# Allegro board S071AA-0413-20260427.brd (continued)
## Routing (per net, layer and track width the routed paths; a pad name or vN(x,y) marks a point on that pad's centre or on a via; arc(x,y) is an arc through that point) (continued)
; D106.A11 261.89,72.85 ; 241.57,395.43 D112.A15 ; D112.A15 241.57,397.05 ; D112.A15 242.38,396.24 ; D112.A15 240.76,396.24 ; D432.A8 38.37,404.67 ; D432.A8 37.56,403.86 ; D432.A8 39.18,403.86 ; D432.A8 38.37,403.05 ; D111.B14 244.92,368.3 ; D111.B14 243.3,368.3 ; D111.B14 244.11,367.49 ; D111.B14 244.11,369.11 ; 123.92,93.98 D121.A15 ; D121.A15 125.54,93.98 ; D121.A15 124.73,93.17 ; D121.A15 124.73,94.79 ; D119.A15 51.07,54.15 ; D119.A15 51.88,53.34 ; D119.A15 50.26,53.34 ; D119.A15 51.07,52.53 ; D104.A5 172.99,33.83 ; D104.A5 172.18,33.02 ; D104.A5 173.8,33.02 ; D104.A5 172.99,32.21 ; 170.45,80.47 D102.B4 ; D102.B4 170.45,82.09 ; D102.B4 171.26,81.28 ; D102.B4 169.64,81.28 ; D231.B6 44.26,368.3 ; D231.B6 43.45,369.11 ; D231.B6 43.45,367.49 ; D231.B6 42.64,368.3 ; D103.A4 171.26,55.88 ; D103.A4 169.64,55.88 ; D103.A4 170.45,55.07 ; D103.A4 170.45,56.69 ; D431.A12 28.21,384.35 ; D431.A12 27.4,383.54 ; D431.A12 29.02,383.54 ; D431.A12 28.21,382.73 ; DPS8.C15 21.4,410.21 ; DPS8.C15 19.78,410.21 ; DPS8.C15 20.59,411.02 ; DPS8.C15 20.59,409.4 ; 17.24,55.88 D119.A2 ; D119.A2 18.05,56.69 ; D119.A2 18.05,55.07 ; D119.A2 18.86,55.88 ; CSDPS429.B8 39.18,342.9 ; CSDPS429.B8 38.37,343.71 ; CSDPS429.B8 37.56,342.9 ; CSDPS429.B8 38.37,342.09 ; D228.B7 114.57,391.97 ; D228.B7 113.76,391.16 ; D228.B7 114.57,390.35 ; D228.B7 115.38,391.16 ; UHC430.G2_11 48.98,359.26 ; UHC430.G2_11 48.98,357.64 ; UHC430.G2_11 49.79,358.45 ; UHC430.G2_11 48.17,358.45 ; D122.B10 112.84,81.28 ; D122.B10 112.03,80.47 ; D122.B10 112.03,82.09 ; D122.B10 111.22,81.28 ; D124.A8 106.95,36.37 ; D124.A8 106.95,34.75 ; D124.A8 106.14,35.56 ; D124.A8 107.76,35.56 ; 20.59,414.48 DPS8.A15 ; DPS8.A15 21.4,415.29 ; DPS8.A15 20.59,416.1 ; DPS8.A15 19.78,415.29 ; 188.23,349.71 D114.B7 ; D114.B7 189.04,350.52 ; D114.B7 188.23,351.33 ; D114.B7 187.42,350.52 ; 15.51,395.43 D232.A17 ; D232.A17 14.7,396.24 ; D232.A17 16.32,396.24 ; D232.A17 15.51,397.05 ; CSDPS425.B4 123,342.9 ; CSDPS425.B4 121.38,342.9 ; CSDPS425.B4 122.19,342.09 ; CSDPS425.B4 122.19,343.71 ; 238.22,368.3 D111.B16 ; D111.B16 239.03,369.11 ; D111.B16 239.03,367.49 ; D111.B16 239.84,368.3 ; D118.B11 40.91,79.55 ; D118.B11 40.91,77.93 ; D118.B11 41.72,78.74 ; D118.B11 40.1,78.74 ; 93.44,360.68 CSDPS426.C15 ; CSDPS426.C15 95.06,360.68 ; CSDPS426.C15 94.25,361.49 ; CSDPS426.C15 94.25,359.87 ; 126.46,363.22 CSDPS426.B2 ; CSDPS426.B2 127.27,364.03 ; CSDPS426.B2 128.08,363.22 ; CSDPS426.B2 127.27,362.41 ; UHC230.G4 17.69,351.79 ; UHC230.G4 16.88,350.98 ; UHC230.G4 16.88,352.6 ; UHC230.G4 16.07,351.79 ; D103.B9 183.15,59.23 ; D103.B9 183.15,57.61 ; D103.B9 183.96,58.42 ; D103.B9 182.34,58.42 ; 123.92,38.1 D124.B15 ; D124.B15 124.73,38.91 ; D124.B15 125.54,38.1 ; D124.B15 124.73,37.29 ; DPS3.A05 100.14,13.97 ; DPS3.A05 99.33,14.78 ; DPS3.A05 99.33,13.16 ; DPS3.A05 98.52,13.97 ; 116.3,363.22 CSDPS426.B6 ; CSDPS426.B6 117.92,363.22 ; CSDPS426.B6 117.11,364.03 ; CSDPS426.B6 117.11,362.41 ; 251.73,93.17 D105.A7 ; D105.A7 252.54,93.98 ; D105.A7 251.73,94.79 ; D105.A7 250.92,93.98 ; 187.42,99.06 D101.B11 ; D101.B11 188.23,98.25 ; D101.B11 189.04,99.06 ; D101.B11 188.23,99.87 ; D107.A7 251.73,54.15 ; D107.A7 252.54,53.34 ; D107.A7 250.92,53.34 ; D107.A7 251.73,52.53 ; 198.39,334.47 D113.A3 ; D113.A3 197.58,335.28 ; D113.A3 199.2,335.28 ; D113.A3 198.39,336.09 ; 256,335.28 D109.A9 ; D109.A9 257.62,335.28 ; D109.A9 256.81,336.09 ; D109.A9 256.81,334.47 ; D121.B3 95.06,99.06 ; D121.B3 93.44,99.06 ; D121.B3 94.25,98.25 ; D121.B3 94.25,99.87 ; 113.76,386.08 D427.A7 ; D427.A7 114.57,386.89 ; D427.A7 114.57,385.27 ; D427.A7 115.38,386.08 ; 113.76,370.84 D227.B7 ; D227.B7 114.57,370.03 ; D227.B7 115.38,370.84 ; D227.B7 114.57,371.65 ; CSDPS225.B16 91.71,333.55 ; CSDPS225.B16 90.9,332.74 ; CSDPS225.B16 92.52,332.74 ; CSDPS225.B16 91.71,331.93 ; 268.7,101.6 D105.B14 ; D105.B14 269.51,100.79 ; D105.B14 270.32,101.6 ; D105.B14 269.51,102.41 ; 45.87,351.79 UHC230.G3 ; UHC230.G3 46.68,350.98 ; UHC230.G3 46.68,352.6 ; UHC230.G3 47.49,351.79 ; D227.B11 105.22,370.84 ; D227.B11 104.41,371.65 ; D227.B11 103.6,370.84 ; D227.B11 104.41,370.03 ; 30.75,329.39 CSDPS229.C11 ; CSDPS229.C11 31.56,330.2 ; CSDPS229.C11 29.94,330.2 ; CSDPS229.C11 30.75,331.01 ; 48.53,342.09 CSDPS429.B4 ; CSDPS429.B4 47.72,342.9 ; CSDPS429.B4 49.34,342.9 ; CSDPS429.B4 48.53,343.71 ; 94.25,380.19 D427.B15 ; D427.B15 95.06,381 ; D427.B15 93.44,381 ; D427.B15 94.25,381.81 ; D231.B11 30.75,371.65 ; D231.B11 31.56,370.84 ; D231.B11 30.75,370.03 ; D231.B11 29.94,370.84 ; D121.B8 107.76,101.6 ; D121.B8 106.95,102.41 ; D121.B8 106.95,100.79 ; D121.B8 106.14,101.6 ; CSDPS425.B12 102.68,342.9 ; CSDPS425.B12 101.87,342.09 ; CSDPS425.B12 101.87,343.71 ; CSDPS425.B12 101.06,342.9 ; D118.B12 43.45,82.09 ; D118.B12 44.26,81.28 ; D118.B12 42.64,81.28 ; D118.B12 43.45,80.47 ; D111.A6 265.24,373.38 ; D111.A6 264.43,374.19 ; D111.A6 263.62,373.38 ; D111.A6 264.43,372.57 ; 266.16,93.98 D105.A13 ; D105.A13 266.97,93.17 ; D105.A13 266.97,94.79 ; D105.A13 267.78,93.98 ; D107.A15 272.86,53.34 ; D107.A15 272.05,54.15 ; D107.A15 271.24,53.34 ; D107.A15 272.05,52.53 ; 104.41,57.61 D123.B7 ; D123.B7 104.41,59.23 ; D123.B7 103.6,58.42 ; D123.B7 105.22,58.42 ; 50.26,396.24 D232.A3 ; D232.A3 51.07,395.43 ; D232.A3 51.07,397.05 ; D232.A3 51.88,396.24 ; D116.A14 171.26,393.7 ; D116.A14 170.45,394.51 ; D116.A14 169.64,393.7 ; D116.A14 170.45,392.89 ; 45.99,411.94 DPS8.B05 ; DPS8.B05 46.8,412.75 ; DPS8.B05 45.18,412.75 ; DPS8.B05 45.99,413.56 ; D123.A5 99.33,54.15 ; D123.A5 98.52,53.34 ; D123.A5 100.14,53.34 ; D123.A5 99.33,52.53 ; 27.4,393.7 D232.A12 ; D232.A12 28.21,394.51 ; D232.A12 29.02,393.7 ; D232.A12 28.21,392.89 ; D108.A4 244.11,36.37 ; D108.A4 244.92,35.56 ; D108.A4 243.3,35.56 ; D108.A4 244.11,34.75 ; 121.38,398.78 D428.B4 ; D428.B4 122.19,397.97 ; D428.B4 122.19,399.59 ; D428.B4 123,398.78 ; 178.07,93.17 D101.A7 ; D101.A7 178.07,94.79 ; D101.A7 177.26,93.98 ; D101.A7 178.88,93.98 ; CSDPS229.B4 49.34,332.74 ; CSDPS229.B4 48.53,333.55 ; CSDPS229.B4 48.53,331.93 ; CSDPS229.B4 47.72,332.74 ; 33.29,403.05 D432.A10 ; D432.A10 33.29,404.67 ; D432.A10 32.48,403.86 ; D432.A10 34.1,403.86 ; D123.A13 120.46,53.34 ; D123.A13 119.65,52.53 ; D123.A13 118.84,53.34 ; D123.A13 119.65,54.15 ; KS4.6 54.47,156.72 ; KS4.6 52.24,156.72 ; KS4.6 53.36,155.6 ; KS4.6 53.36,157.84 ; D105.B8 255.08,101.6 ; D105.B8 254.27,102.41 ; D105.B8 253.46,101.6 ; D105.B8 254.27,100.79 ; 40.91,370.03 D231.B7 ; D231.B7 40.91,371.65 ; D231.B7 41.72,370.84 ; D231.B7 40.1,370.84 ; D101.B14 196.66,101.6 ; D101.B14 195.04,101.6 ; D101.B14 195.85,102.41 ; D101.B14 195.85,100.79 ; 108.68,396.24 D228.A9 ; D228.A9 109.49,397.05 ; D228.A9 110.3,396.24 ; D228.A9 109.49,395.43 ; 200.93,60.15 D103.B16 ; D103.B16 200.93,61.77 ; D103.B16 200.12,60.96 ; D103.B16 201.74,60.96 ; D111.B10 254.27,369.11 ; D111.B10 254.27,367.49 ; D111.B10 253.46,368.3 ; D111.B10 255.08,368.3 ; D109.B12 250,327.66 ; D109.B12 249.19,326.85 ; D109.B12 249.19,328.47 ; D109.B12 248.38,327.66 ; 167.91,37.29 D104.B3 ; D104.B3 167.1,38.1 ; D104.B3 168.72,38.1 ; D104.B3 167.91,38.91 ; 51.07,77.93 D118.B15 ; D118.B15 51.88,78.74 ; D118.B15 50.26,78.74 ; D118.B15 51.07,79.55 ; D107.A8 255.08,55.88 ; D107.A8 253.46,55.88 ; D107.A8 254.27,55.07 ; D107.A8 254.27,56.69 ; 114.57,32.21 D124.A11 ; D124.A11 114.57,33.83 ; D124.A11 113.76,33.02 ; D124.A11 115.38,33.02 ; D115.B16 166.18,368.3 ; D115.B16 165.37,367.49 ; D115.B16 164.56,368.3 ; D115.B16 165.37,369.11 ; CSDPS229.B16 18.05,333.55 ; CSDPS229.B16 18.05,331.93 ; CSDPS229.B16 18.86,332.74 ; CSDPS229.B16 17.24,332.74 ; 90.9,101.6 D121.B2 ; D121.B2 91.71,102.41 ; D121.B2 91.71,100.79 ; D121.B2 92.52,101.6 ; 197.58,99.06 D101.B15 ; D101.B15 198.39,98.25 ; D101.B15 198.39,99.87 ; D101.B15 199.2,99.06 ; 254.27,80.47 D106.B8 ; D106.B8 253.46,81.28 ; D106.B8 254.27,82.09 ; D106.B8 255.08,81.28 ; 55.34,391.16 D232.B1 ; D232.B1 56.15,390.35 ; D232.B1 56.15,391.97 ; D232.B1 56.96,391.16 ; 236.49,13.16 DPS1.A01 ; DPS1.A01 236.49,14.78 ; DPS1.A01 237.3,13.97 ; DPS1.A01 235.68,13.97 ; 197.58,58.42 D103.B15 ; D103.B15 199.2,58.42 ; D103.B15 198.39,57.61 ; D103.B15 198.39,59.23 ; D124.A6 102.68,35.56 ; D124.A6 101.06,35.56 ; D124.A6 101.87,36.37 ; D124.A6 101.87,34.75 ; D428.B13 100.14,401.32 ; D428.B13 99.33,402.13 ; D428.B13 99.33,400.51 ; D428.B13 98.52,401.32 ; D231.A15 21.4,375.92 ; D231.A15 20.59,375.11 ; D231.A15 20.59,376.73 ; D231.A15 19.78,375.92 ; 15.51,380.19 D431.B17 ; D431.B17 14.7,381 ; D431.B17 16.32,381 ; D431.B17 15.51,381.81 ; 200.93,95.71 D101.A16 ; D101.A16 201.74,96.52 ; D101.A16 200.93,97.33 ; D101.A16 200.12,96.52 ; D110.B3 272.86,350.52 ; D110.B3 272.05,351.33 ; D110.B3 271.24,350.52 ; D110.B3 272.05,349.71 ; 251.73,72.85 D106.A7 ; D106.A7 251.73,74.47 ; D106.A7 250.92,73.66 ; D106.A7 252.54,73.66 ; D231.B13 26.48,370.84 ; D231.B13 24.86,370.84 ; D231.B13 25.67,370.03 ; D231.B13 25.67,371.65 ; D232.B15 20.59,391.97 ; D232.B15 21.4,391.16 ; D232.B15 19.78,391.16 ; D232.B15 20.59,390.35 ; D118.B14 48.53,82.09 ; D118.B14 48.53,80.47 ; D118.B14 49.34,81.28 ; D118.B14 47.72,81.28 ; D115.A11 178.88,375.92 ; D115.A11 178.07,376.73 ; D115.A11 178.07,375.11 ; D115.A11 177.26,375.92 ; D113.B14 171.26,327.66 ; D113.B14 170.45,326.85 ; D113.B14 169.64,327.66 ; D113.B14 170.45,328.47 ; 35.83,32.21 D120.A9 ; D120.A9 36.64,33.02 ; D120.A9 35.83,33.83 ; D120.A9 35.02,33.02 ; 114.57,72.85 D122.A11 ; D122.A11 115.38,73.66 ; D122.A11 113.76,73.66 ; D122.A11 114.57,74.47 ; 93.44,401.32 D428.B15 ; D428.B15 95.06,401.32 ; D428.B15 94.25,400.51 ; D428.B15 94.25,402.13 ; D432.A3 51.88,406.4 ; D432.A3 51.07,405.59 ; D432.A3 50.26,406.4 ; D432.A3 51.07,407.21 ; CSDPS426.B4 122.19,364.03 ; CSDPS426.B4 122.19,362.41 ; CSDPS426.B4 123,363.22 ; CSDPS426.B4 121.38,363.22 ; 111.22,332.74 CSDPS225.B8 ; CSDPS225.B8 112.03,333.55 ; CSDPS225.B8 112.03,331.93 ; CSDPS225.B8 112.84,332.74 ; 55.34,375.92 D231.A1 ; D231.A1 56.15,375.11 ; D231.A1 56.15,376.73 ; D231.A1 56.96,375.92 ; D122.B15 124.73,79.55 ; D122.B15 124.73,77.93 ; D122.B15 125.54,78.74 ; D122.B15 123.92,78.74 ; D102.A6 175.53,77.01 ; D102.A6 174.72,76.2 ; D102.A6 175.53,75.39 ; D102.A6 176.34,76.2 ; 53.61,55.07 D119.A16 ; D119.A16 54.42,55.88 ; D119.A16 53.61,56.69 ; D119.A16 52.8,55.88 ; D110.A14 244.92,353.06 ; D110.A14 243.3,353.06 ; D110.A14 244.11,352.25 ; D110.A14 244.11,353.87 ; 19.78,386.08 D431.A15 ; D431.A15 20.59,385.27 ; D431.A15 20.59,386.89 ; D431.A15 21.4,386.08 ; D427.A4 122.19,384.35 ; D427.A4 122.19,382.73 ; D427.A4 123,383.54 ; D427.A4 121.38,383.54 ; D115.A3 199.2,375.92 ; D115.A3 198.39,376.73 ; D115.A3 198.39,375.11 ; D115.A3 197.58,375.92 ; D228.B17 89.98,391.16 ; D228.B17 89.17,391.97 ; D228.B17 88.36,391.16 ; D228.B17 89.17,390.35 ; 178.07,334.47 D113.A11 ; D113.A11 178.07,336.09 ; D113.A11 177.26,335.28 ; D113.A11 178.88,335.28 ; D124.A2 91.71,36.37 ; D124.A2 91.71,34.75 ; D124.A2 92.52,35.56 ; D124.A2 90.9,35.56 ; D102.A12 191.58,76.2 ; D102.A12 189.96,76.2 ; D102.A12 190.77,77.01 ; D102.A12 190.77,75.39 ; 182.34,78.74 D102.B9 ; D102.B9 183.15,77.93 ; D102.B9 183.96,78.74 ; D102.B9 183.15,79.55 ; 249.19,39.83 D108.B6 ; D108.B6 248.38,40.64 ; D108.B6 250,40.64 ; D108.B6 249.19,41.45 ; 99.33,37.29 D124.B5 ; D124.B5 99.33,38.91 ; D124.B5 100.14,38.1 ; D124.B5 98.52,38.1 ; DPS3.B05 100.14,16.51 ; DPS3.B05 99.33,15.7 ; DPS3.B05 98.52,16.51 ; DPS3.B05 99.33,17.32 ; D119.A11 40.91,54.15 ; D119.A11 40.1,53.34 ; D119.A11 40.91,52.53 ; D119.A11 41.72,53.34 ; 38.37,392.89 D232.A8 ; D232.A8 37.56,393.7 ; D232.A8 38.37,394.51 ; D232.A8 39.18,393.7 ; 238.22,81.28 D106.B2 ; D106.B2 239.03,80.47 ; D106.B2 239.84,81.28 ; D106.B2 239.03,82.09 ; D432.B8 38.37,399.59 ; D432.B8 37.56,398.78 ; D432.B8 38.37,397.97 ; D432.B8 39.18,398.78 ; D119.A13 45.99,54.15 ; D119.A13 45.18,53.34 ; D119.A13 45.99,52.53 ; D119.A13 46.8,53.34 ; 246.65,18.24 DPS1.C05 ; DPS1.C05 246.65,19.86 ; DPS1.C05 245.84,19.05 ; DPS1.C05 247.46,19.05 ; D122.B11 115.38,78.74 ; D122.B11 114.57,79.55 ; D122.B11 114.57,77.93 ; D122.B11 113.76,78.74 ; 189.96,55.88 D103.A12 ; D103.A12 190.77,56.69 ; D103.A12 190.77,55.07 ; D103.A12 191.58,55.88 ; 104.41,395.43 D228.A11 ; D228.A11 104.41,397.05 ; D228.A11 105.22,396.24 ; D228.A11 103.6,396.24 ; D108.A6 249.19,36.37 ; D108.A6 248.38,35.56 ; D108.A6 250,35.56 ; D108.A6 249.19,34.75 ; D427.A14 96.79,384.35 ; D427.A14 97.6,383.54 ; D427.A14 95.98,383.54 ; D427.A14 96.79,382.73 ; 170.45,100.79 D101.B4 ; D101.B4 171.26,101.6 ; D101.B4 169.64,101.6 ; D101.B4 170.45,102.41 ; D117.A4 23.94,96.52 ; D117.A4 23.13,95.71 ; D117.A4 22.32,96.52 ; D117.A4 23.13,97.33 ; D431.B11 30.75,381.81 ; D431.B11 31.56,381 ; D431.B11 29.94,381 ; D431.B11 30.75,380.19 ; D431.B12 29.02,378.46 ; D431.B12 28.21,379.27 ; D431.B12 28.21,377.65 ; D431.B12 27.4,378.46 ; D106.B5 246.65,79.55 ; D106.B5 245.84,78.74 ; D106.B5 246.65,77.93 ; D106.B5 247.46,78.74 ; 182.34,53.34 D103.A9 ; D103.A9 183.15,52.53 ; D103.A9 183.15,54.15 ; D103.A9 183.96,53.34 ; D122.B6 102.68,81.28 ; D122.B6 101.06,81.28 ; D122.B6 101.87,82.09 ; D122.B6 101.87,80.47 ; D106.A4 244.92,76.2 ; D106.A4 244.11,75.39 ; D106.A4 243.3,76.2 ; D106.A4 244.11,77.01 ; D432.B6 44.26,398.78 ; D432.B6 43.45,399.59 ; D432.B6 42.64,398.78 ; D432.B6 43.45,397.97 ; D112.A16 239.84,393.7 ; D112.A16 239.03,394.51 ; D112.A16 238.22,393.7 ; D112.A16 239.03,392.89 ; 116.3,332.74 CSDPS225.B6 ; CSDPS225.B6 117.92,332.74 ; CSDPS225.B6 117.11,333.55 ; CSDPS225.B6 117.11,331.93 ; 124.73,349.71 CSDPS226.C3 ; CSDPS226.C3 125.54,350.52 ; CSDPS226.C3 124.73,351.33 ; CSDPS226.C3 123.92,350.52 ; UHC430.G1_4 18.03,364.51 ; UHC430.G1_4 18.84,363.7 ; UHC430.G1_4 17.22,363.7 ; UHC430.G1_4 18.03,362.89 ; D123.B15 125.54,58.42 ; D123.B15 123.92,58.42 ; D123.B15 124.73,59.23 ; D123.B15 124.73,57.61 ; D227.B4 123,368.3 ; D227.B4 122.19,369.11 ; D227.B4 122.19,367.49 ; D227.B4 121.38,368.3 ; 90.9,96.52 D121.A2 ; D121.A2 91.71,97.33 ; D121.A2 92.52,96.52 ; D121.A2 91.71,95.71 ; 23.13,403.05 D432.A14 ; D432.A14 23.94,403.86 ; D432.A14 23.13,404.67 ; D432.A14 22.32,403.86 ; D124.A1 89.98,33.02 ; D124.A1 88.36,33.02 ; D124.A1 89.17,32.21 ; D124.A1 89.17,33.83 ; 29.94,386.08 D431.A11 ; D431.A11 30.75,385.27 ; D431.A11 30.75,386.89 ; D431.A11 31.56,386.08 ; 121.38,388.62 D228.B4 ; D228.B4 122.19,387.81 ; D228.B4 122.19,389.43 ; D228.B4 123,388.62 ; 195.85,347.17 D114.B4 ; D114.B4 196.66,347.98 ; D114.B4 195.85,348.79 ; D114.B4 195.04,347.98 ; D111.B4 270.32,368.3 ; D111.B4 268.7,368.3 ; D111.B4 269.51,367.49 ; D111.B4 269.51,369.11 ; D232.B14 23.94,388.62 ; D232.B14 23.13,387.81 ; D232.B14 23.13,389.43 ; D232.B14 22.32,388.62 ; D109.B6 265.24,327.66 ; D109.B6 264.43,326.85 ; D109.B6 264.43,328.47 ; D109.B6 263.62,327.66 ; D112.A6 265.24,393.7 ; D112.A6 264.43,394.51 ; D112.A6 264.43,392.89 ; D112.A6 263.62,393.7 ; D427.A1 130.62,386.08 ; D427.A1 129,386.08 ; D427.A1 129.81,386.89 ; D427.A1 129.81,385.27 ; 167.91,390.35 D116.B15 ; D116.B15 168.72,391.16 ; D116.B15 167.91,391.97 ; D116.B15 167.1,391.16 ; 167.1,33.02 D104.A3 ; D104.A3 167.91,33.83 ; D104.A3 167.91,32.21 ; D104.A3 168.72,33.02 ; 93.44,391.16 D228.B15 ; D228.B15 94.25,390.35 ; D228.B15 95.06,391.16 ; D228.B15 94.25,391.97 ; D427.A9 109.49,386.89 ; D427.A9 109.49,385.27 ; D427.A9 110.3,386.08 ; D427.A9 108.68,386.08 ; D432.A5 45.99,407.21 ; D432.A5 46.8,406.4 ; D432.A5 45.18,406.4 ; D432.A5 45.99,405.59 ; 253.46,388.62 D112.B10 ; D112.B10 255.08,388.62 ; D112.B10 254.27,389.43 ; D112.B10 254.27,387.81 ; 266.97,72.85 D106.A13 ; D106.A13 266.16,73.66 ; D106.A13 267.78,73.66 ; D106.A13 266.97,74.47 ; 18.05,392.89 D232.A16 ; D232.A16 17.24,393.7 ; D232.A16 18.86,393.7 ; D232.A16 18.05,394.51 ; D432.B13 26.48,401.32 ; D432.B13 25.67,402.13 ; D432.B13 24.86,401.32 ; D432.B13 25.67,400.51 ; D112.A5 267.78,396.24 ; D112.A5 266.97,397.05 ; D112.A5 266.97,395.43 ; D112.A5 266.16,396.24 ; 116.3,35.56 D124.A12 ; D124.A12 117.11,34.75 ; D124.A12 117.92,35.56 ; D124.A12 117.11,36.37 ; D112.B13 247.46,391.16 ; D112.B13 246.65,391.97 ; D112.B13 245.84,391.16 ; D112.B13 246.65,390.35 ; CSDPS225.C5 120.46,330.2 ; CSDPS225.C5 119.65,329.39 ; CSDPS225.C5 118.84,330.2 ; CSDPS225.C5 119.65,331.01 ; 169.64,347.98 D114.B14 ; D114.B14 170.45,347.17 ; D114.B14 171.26,347.98 ; D114.B14 170.45,348.79 ; CSDPS229.C7 40.91,331.01 ; CSDPS229.C7 40.1,330.2 ; CSDPS229.C7 40.91,329.39 ; CSDPS229.C7 41.72,330.2 ; 116.3,342.9 CSDPS425.B6 ; CSDPS425.B6 117.92,342.9 ; CSDPS425.B6 117.11,343.71 ; CSDPS425.B6 117.11,342.09 ; 165.37,80.47 D102.B2 ; D102.B2 165.37,82.09 ; D102.B2 164.56,81.28 ; D102.B2 166.18,81.28 ; 15.51,98.25 D117.B1 ; D117.B1 14.7,99.06 ; D117.B1 16.32,99.06 ; D117.B1 15.51,99.87 ; 114.57,329.39 CSDPS225.C7 ; CSDPS225.C7 113.76,330.2 ; CSDPS225.C7 115.38,330.2 ; CSDPS225.C7 114.57,331.01 ; 51.07,390.35 D232.B3 ; D232.B3 51.07,391.97 ; D232.B3 51.88,391.16 ; D232.B3 50.26,391.16 ; CSDPS225.C9 109.49,331.01 ; CSDPS225.C9 110.3,330.2 ; CSDPS225.C9 108.68,330.2 ; CSDPS225.C9 109.49,329.39 ; D231.B3 51.07,371.65 ; D231.B3 50.26,370.84 ; D231.B3 51.88,370.84 ; D231.B3 51.07,370.03 ; 56.15,370.03 D231.B1 ; D231.B1 56.96,370.84 ; D231.B1 56.15,371.65 ; D231.B1 55.34,370.84 ; 118.84,58.42 D123.B13 ; D123.B13 120.46,58.42 ; D123.B13 119.65,57.61 ; D123.B13 119.65,59.23 ; 245.84,16.51 DPS1.B05 ; DPS1.B05 246.65,15.7 ; DPS1.B05 246.65,17.32 ; DPS1.B05 247.46,16.51 ; D117.A2 18.05,97.33 ; D117.A2 18.05,95.71 ; D117.A2 17.24,96.52 ; D117.A2 18.86,96.52 ; D105.A4 244.11,97.33 ; D105.A4 244.11,95.71 ; D105.A4 243.3,96.52 ; D105.A4 244.92,96.52 ; 40.91,57.61 D119.B11 ; D119.B11 40.91,59.23 ; D119.B11 40.1,58.42 ; D119.B11 41.72,58.42 ; 185.69,60.15 D103.B10 ; D103.B10 185.69,61.77 ; D103.B10 186.5,60.96 ; D103.B10 184.88,60.96 ; CSDPS429.C5 46.8,340.36 ; CSDPS429.C5 45.99,339.55 ; CSDPS429.C5 45.99,341.17 ; CSDPS429.C5 45.18,340.36 ; 195.04,40.64 D104.B14 ; D104.B14 195.85,41.45 ; D104.B14 195.85,39.83 ; D104.B14 196.66,40.64 ; CSDPS425.B16 91.71,343.71 ; CSDPS425.B16 90.9,342.9 ; CSDPS425.B16 91.71,342.09 ; CSDPS425.B16 92.52,342.9 ; D231.A14 23.13,374.19 ; D231.A14 23.94,373.38 ; D231.A14 22.32,373.38 ; D231.A14 23.13,372.57 ; 50.26,375.92 D231.A3 ; D231.A3 51.07,376.73 ; D231.A3 51.07,375.11 ; D231.A3 51.88,375.92 ; D121.A3 95.06,93.98 ; D121.A3 94.25,93.17 ; D121.A3 94.25,94.79 ; D121.A3 93.44,93.98 ; D105.B10 260.16,101.6 ; D105.B10 259.35,100.79 ; D105.B10 259.35,102.41 ; D105.B10 258.54,101.6 ; 172.18,335.28 D113.A13 ; D113.A13 172.99,336.09 ; D113.A13 173.8,335.28 ; D113.A13 172.99,334.47 ; 42.64,60.96 D119.B12 ; D119.B12 43.45,60.15 ; D119.B12 43.45,61.77 ; D119.B12 44.26,60.96 ; D431.A1 56.15,386.89 ; D431.A1 56.15,385.27 ; D431.A1 55.34,386.08 ; D431.A1 56.96,386.08 ; 48.53,392.89 D232.A4 ; D232.A4 48.53,394.51 ; D232.A4 47.72,393.7 ; D232.A4 49.34,393.7 ; 53.61,367.49 D231.B2 ; D231.B2 52.8,368.3 ; D231.B2 53.61,369.11 ; D231.B2 54.42,368.3 ; 192.5,53.34 D103.A13 ; D103.A13 193.31,54.15 ; D103.A13 194.12,53.34 ; D103.A13 193.31,52.53 ; 271.24,335.28 D109.A3 ; D109.A3 272.05,334.47 ; D109.A3 272.86,335.28 ; D109.A3 272.05,336.09 ; 47.02,353.54 UHC230.G3_4 ; UHC230.G3_4 47.83,352.73 ; UHC230.G3_4 47.83,354.35 ; UHC230.G3_4 48.64,353.54 ; D118.A9 36.64,73.66 ; D118.A9 35.83,72.85 ; D118.A9 35.83,74.47 ; D118.A9 35.02,73.66 ; 172.99,349.71 D114.B13 ; D114.B13 172.99,351.33 ; D114.B13 172.18,350.52 ; D114.B13 173.8,350.52 ; D124.A15 125.54,33.02 ; D124.A15 123.92,33.02 ; D124.A15 124.73,32.21 ; D124.A15 124.73,33.83 ; 99.33,98.25 D121.B5 ; D121.B5 100.14,99.06 ; D121.B5 98.52,99.06 ; D121.B5 99.33,99.87 ; 109.49,52.53 D123.A9 ; D123.A9 108.68,53.34 ; D123.A9 110.3,53.34 ; D123.A9 109.49,54.15 ; D122.A10 112.03,77.01 ; D122.A10 112.84,76.2 ; D122.A10 111.22,76.2 ; D122.A10 112.03,75.39 ; D112.B2 274.59,389.43 ; D112.B2 275.4,388.62 ; D112.B2 273.78,388.62 ; D112.B2 274.59,387.81 ; 116.3,373.38 D227.A6 ; D227.A6 117.11,374.19 ; D227.A6 117.92,373.38 ; D227.A6 117.11,372.57 ; 48.53,387.81 D232.B4 ; D232.B4 48.53,389.43 ; D232.B4 47.72,388.62 ; D232.B4 49.34,388.62 ; D105.A16 274.59,97.33 ; D105.A16 274.59,95.71 ; D105.A16 275.4,96.52 ; D105.A16 273.78,96.52 ; 50.26,386.08 D431.A3 ; D431.A3 51.88,386.08 ; D431.A3 51.07,385.27 ; D431.A3 51.07,386.89 ; D111.A15 241.57,376.73 ; D111.A15 240.76,375.92 ; D111.A15 242.38,375.92 ; D111.A15 241.57,375.11 ; D428.A17 89.17,407.21 ; D428.A17 89.17,405.59 ; D428.A17 88.36,406.4 ; D428.A17 89.98,406.4 ; D106.A16 274.59,77.01 ; D106.A16 273.78,76.2 ; D106.A16 274.59,75.39 ; D106.A16 275.4,76.2 ; D231.A8 39.18,373.38 ; D231.A8 37.56,373.38 ; D231.A8 38.37,372.57 ; D231.A8 38.37,374.19 ; D432.B3 51.07,402.13 ; D432.B3 50.26,401.32 ; D432.B3 51.88,401.32 ; D432.B3 51.07,400.51 ; 179.8,81.28 D102.B8 ; D102.B8 181.42,81.28 ; D102.B8 180.61,80.47 ; D102.B8 180.61,82.09 ; D104.A13 194.12,33.02 ; D104.A13 193.31,33.83 ; D104.A13 193.31,32.21 ; D104.A13 192.5,33.02 ; 101.06,403.86 D428.A12 ; D428.A12 102.68,403.86 ; D428.A12 101.87,404.67 ; D428.A12 101.87,403.05 ; 53.36,147.98 KS3.6 ; KS3.6 54.47,149.1 ; KS3.6 52.24,149.1 ; KS3.6 53.36,150.22 ; 239.03,352.25 D110.A16 ; D110.A16 239.84,353.06 ; D110.A16 239.03,353.87 ; D110.A16 238.22,353.06 ; D227.A12 102.68,373.38 ; D227.A12 101.87,374.19 ; D227.A12 101.06,373.38 ; D227.A12 101.87,372.57 ; CSDPS426.C13 100.14,360.68 ; CSDPS426.C13 98.52,360.68 ; CSDPS426.C13 99.33,361.49 ; CSDPS426.C13 99.33,359.87 ; D228.A6 117.11,394.51 ; D228.A6 116.3,393.7 ; D228.A6 117.11,392.89 ; D228.A6 117.92,393.7 ; 122.19,377.65 D427.B4 ; D427.B4 123,378.46 ; D427.B4 122.19,379.27 ; D427.B4 121.38,378.46 ; 193.31,334.47 D113.A5 ; D113.A5 193.31,336.09 ; D113.A5 194.12,335.28 ; D113.A5 192.5,335.28 ; 94.25,72.85 D122.A3 ; D122.A3 93.44,73.66 ; D122.A3 94.25,74.47 ; D122.A3 95.06,73.66 ; 182.34,330.2 D113.B9 ; D113.B9 183.15,329.39 ; D113.B9 183.15,331.01 ; D113.B9 183.96,330.2 ; 162.02,33.02 D104.A1 ; D104.A1 162.83,32.21 ; D104.A1 163.64,33.02 ; D104.A1 162.83,33.83 ; D109.A13 246.65,336.09 ; D109.A13 247.46,335.28 ; D109.A13 245.84,335.28 ; D109.A13 246.65,334.47 ; D431.B2 54.42,378.46 ; D431.B2 52.8,378.46 ; D431.B2 53.61,379.27 ; D431.B2 53.61,377.65 ; CSDPS225.B12 102.68,332.74 ; CSDPS225.B12 101.87,331.93 ; CSDPS225.B12 101.87,333.55 ; CSDPS225.B12 101.06,332.74 ; 106.95,352.25 CSDPS226.B10 ; CSDPS226.B10 106.95,353.87 ; CSDPS226.B10 107.76,353.06 ; CSDPS226.B10 106.14,353.06 ; 123.92,73.66 D122.A15 ; D122.A15 124.73,72.85 ; D122.A15 124.73,74.47 ; D122.A15 125.54,73.66 ; 192.5,412.75 DPS2.B05 ; DPS2.B05 193.31,413.56 ; DPS2.B05 193.31,411.94 ; DPS2.B05 194.12,412.75 ; D228.A7 115.38,396.24 ; D228.A7 113.76,396.24 ; D228.A7 114.57,395.43 ; D228.A7 114.57,397.05 ; 258.54,76.2 D106.A10 ; D106.A10 260.16,76.2 ; D106.A10 259.35,75.39 ; D106.A10 259.35,77.01 ; D108.A9 256.81,33.83 ; D108.A9 256,33.02 ; D108.A9 256.81,32.21 ; D108.A9 257.62,33.02 ; 249.19,55.07 D107.A6 ; D107.A6 250,55.88 ; D107.A6 248.38,55.88 ; D107.A6 249.19,56.69 ; CSDPS226.C11 104.41,351.33 ; CSDPS226.C11 103.6,350.52 ; CSDPS226.C11 105.22,350.52 ; CSDPS226.C11 104.41,349.71 ; 101.87,60.15 D123.B6 ; D123.B6 102.68,60.96 ; D123.B6 101.06,60.96 ; D123.B6 101.87,61.77 ; 96.79,34.75 D124.A4 ; D124.A4 95.98,35.56 ; D124.A4 96.79,36.37 ; D124.A4 97.6,35.56 ; 261.08,33.02 D108.A11 ; D108.A11 261.89,33.83 ; D108.A11 262.7,33.02 ; D108.A11 261.89,32.21 ; D228.A10 107.76,393.7 ; D228.A10 106.95,392.89 ; D228.A10 106.95,394.51 ; D228.A10 106.14,393.7 ; 101.87,382.73 D427.A12 ; D427.A12 102.68,383.54 ; D427.A12 101.87,384.35 ; D427.A12 101.06,383.54 ; 37.56,60.96 D119.B10 ; D119.B10 39.18,60.96 ; D119.B10 38.37,61.77 ; D119.B10 38.37,60.15 ; CSDPS426.B8 112.03,364.03 ; CSDPS426.B8 112.84,363.22 ; CSDPS426.B8 112.03,362.41 ; CSDPS426.B8 111.22,363.22 ; D427.B12 101.87,379.27 ; D427.B12 102.68,378.46 ; D427.B12 101.87,377.65 ; D427.B12 101.06,378.46 ; D103.B5 172.99,59.23 ; D103.B5 172.18,58.42 ; D103.B5 173.8,58.42 ; D103.B5 172.99,57.61 ; DPS3.B01 89.98,16.51 ; DPS3.B01 89.17,17.32 ; DPS3.B01 89.17,15.7 ; DPS3.B01 88.36,16.51 ; 32.48,368.3 D231.B10 ; D231.B10 34.1,368.3 ; D231.B10 33.29,369.11 ; D231.B10 33.29,367.49 ; UHC230.G4_2 16.88,356.1 ; UHC230.G4_2 16.88,354.48 ; UHC230.G4_2 17.69,355.29 ; UHC230.G4_2 16.07,355.29 ; UHC430.G2_9 47.83,361.01 ; UHC430.G2_9 48.64,360.2 ; UHC430.G2_9 47.83,359.39 ; UHC430.G2_9 47.02,360.2 ; D228.B16 92.52,388.62 ; D228.B16 91.71,387.81 ; D228.B16 90.9,388.62 ; D228.B16 91.71,389.43 ; 42.64,35.56 D120.A12 ; D120.A12 43.45,36.37 ; D120.A12 43.45,34.75 ; D120.A12 44.26,35.56 ; D108.A15 272.05,33.83 ; D108.A15 272.86,33.02 ; D108.A15 272.05,32.21 ; D108.A15 271.24,33.02 ; D232.B11 30.75,391.97 ; D232.B11 30.75,390.35 ; D232.B11 31.56,391.16 ; D232.B11 29.94,391.16 ; D101.A3 168.72,93.98 ; D101.A3 167.1,93.98 ; D101.A3 167.91,93.17 ; D101.A3 167.91,94.79 ; 273.78,353.06 D110.A2 ; D110.A2 274.59,353.87 ; D110.A2 275.4,353.06 ; D110.A2 274.59,352.25 ; 263.62,81.28 D106.B12 ; D106.B12 264.43,82.09 ; D106.B12 264.43,80.47 ; D106.B12 265.24,81.28 ; 172.99,37.29 D104.B5 ; D104.B5 172.18,38.1 ; D104.B5 172.99,38.91 ; D104.B5 173.8,38.1 ; 47.72,55.88 D119.A14 ; D119.A14 48.53,55.07 ; D119.A14 48.53,56.69 ; D119.A14 49.34,55.88 ; 126.46,96.52 D121.A16 ; D121.A16 128.08,96.52 ; D121.A16 127.27,95.71 ; D121.A16 127.27,97.33 ; CSDPS429.C7 40.91,341.17 ; CSDPS429.C7 40.91,339.55 ; CSDPS429.C7 41.72,340.36 ; CSDPS429.C7 40.1,340.36 ; D427.B7 114.57,381.81 ; D427.B7 114.57,380.19 ; D427.B7 113.76,381 ; D427.B7 115.38,381 ; 95.98,60.96 D123.B4 ; D123.B4 96.79,60.15 ; D123.B4 97.6,60.96 ; D123.B4 96.79,61.77 ; D102.A3 167.91,74.47 ; D102.A3 167.1,73.66 ; D102.A3 168.72,73.66 ; D102.A3 167.91,72.85 ; D107.B9 257.62,58.42 ; D107.B9 256.81,57.61 ; D107.B9 256,58.42 ; D107.B9 256.81,59.23 ; D124.A5 99.33,33.83 ; D124.A5 100.14,33.02 ; D124.A5 98.52,33.02 ; D124.A5 99.33,32.21 ; 244.11,387.81 D112.B14 ; D112.B14 243.3,388.62 ; D112.B14 244.92,388.62 ; D112.B14 244.11,389.43 ; D123.A4 96.79,56.69 ; D123.A4 97.6,55.88 ; D123.A4 95.98,55.88 ; D123.A4 96.79,55.07 ; D119.B3 20.59,59.23 ; D119.B3 19.78,58.42 ; D119.B3 20.59,57.61 ; D119.B3 21.4,58.42 ; D121.A7 104.41,94.79 ; D121.A7 104.41,93.17 ; D121.A7 103.6,93.98 ; D121.A7 105.22,93.98 ; D105.A5 247.46,93.98 ; D105.A5 246.65,94.79 ; D105.A5 246.65,93.17 ; D105.A5 245.84,93.98 ; D119.A5 26.48,53.34 ; D119.A5 25.67,54.15 ; D119.A5 24.86,53.34 ; D119.A5 25.67,52.53 ; D114.B16 165.37,348.79 ; D114.B16 164.56,347.98 ; D114.B16 166.18,347.98 ; D114.B16 165.37,347.17 ; 195.04,373.38 D115.A4 ; D115.A4 195.85,374.19 ; D115.A4 195.85,372.57 ; D115.A4 196.66,373.38 ; DPS8.C01 56.96,410.21 ; DPS8.C01 56.15,411.02 ; DPS8.C01 55.34,410.21 ; DPS8.C01 56.15,409.4 ; D232.A10 34.1,393.7 ; D232.A10 32.48,393.7 ; D232.A10 33.29,392.89 ; D232.A10 33.29,394.51 ; 112.03,39.83 D124.B10 ; D124.B10 111.22,40.64 ; D124.B10 112.84,40.64 ; D124.B10 112.03,41.45 ; D117.A13 45.99,94.79 ; D117.A13 45.18,93.98 ; D117.A13 46.8,93.98 ; D117.A13 45.99,93.17 ; D106.B9 256.81,79.55 ; D106.B9 256.81,77.93 ; D106.B9 256,78.74 ; D106.B9 257.62,78.74 ; 44.38,357.64 UHC430.G2_13 ; UHC430.G2_13 43.57,358.45 ; UHC430.G2_13 44.38,359.26 ; UHC430.G2_13 45.19,358.45 ; 188.23,375.11 D115.A7 ; D115.A7 189.04,375.92 ; D115.A7 188.23,376.73 ; D115.A7 187.42,375.92 ; CSDPS425.B8 112.84,342.9 ; CSDPS425.B8 112.03,342.09 ; CSDPS425.B8 111.22,342.9 ; CSDPS425.B8 112.03,343.71 ; D431.A16 18.86,383.54 ; D431.A16 18.05,382.73 ; D431.A16 17.24,383.54 ; D431.A16 18.05,384.35 ; 167.1,99.06 D101.B3 ; D101.B3 167.91,99.87 ; D101.B3 167.91,98.25 ; D101.B3 168.72,99.06 ; D108.B16 274.59,41.45 ; D108.B16 274.59,39.83 ; D108.B16 273.78,40.64 ; D108.B16 275.4,40.64 ; D122.B2 92.52,81.28 ; D122.B2 91.71,82.09 ; D122.B2 90.9,81.28 ; D122.B2 91.71,80.47 ; 112.03,387.81 D228.B8 ; D228.B8 111.22,388.62 ; D228.B8 112.03,389.43 ; D228.B8 112.84,388.62 ; 167.1,350.52 D114.B15 ; D114.B15 168.72,350.52 ; D114.B15 167.91,351.33 ; D114.B15 167.91,349.71 ; UHC230.G3_12 47.49,348.29 ; UHC230.G3_12 46.68,347.48 ; UHC230.G3_12 46.68,349.1 ; UHC230.G3_12 45.87,348.29 ; D114.A14 170.45,353.87 ; D114.A14 171.26,353.06 ; D114.A14 170.45,352.25 ; D114.A14 169.64,353.06 ; 271.24,38.1 D108.B15 ; D108.B15 272.86,38.1 ; D108.B15 272.05,38.91 ; D108.B15 272.05,37.29 ; D121.A6 101.87,97.33 ; D121.A6 101.87,95.71 ; D121.A6 101.06,96.52 ; D121.A6 102.68,96.52 ; 261.08,370.84 D111.B7 ; D111.B7 261.89,370.03 ; D111.B7 262.7,370.84 ; D111.B7 261.89,371.65 ; D113.B2 200.93,328.47 ; D113.B2 200.12,327.66 ; D113.B2 201.74,327.66 ; D113.B2 200.93,326.85 ; 178.07,354.79 D114.A11 ; D114.A11 178.07,356.41 ; D114.A11 177.26,355.6 ; D114.A11 178.88,355.6 ; 243.3,332.74 D109.A14 ; D109.A14 244.11,333.55 ; D109.A14 244.11,331.93 ; D109.A14 244.92,332.74 ; D103.B7 178.07,59.23 ; D103.B7 178.07,57.61 ; D103.B7 177.26,58.42 ; D103.B7 178.88,58.42 ; 15.51,375.11 D231.A17 ; D231.A17 15.51,376.73 ; D231.A17 14.7,375.92 ; D231.A17 16.32,375.92 ; D428.B9 109.49,402.13 ; D428.B9 109.49,400.51 ; D428.B9 108.68,401.32 ; D428.B9 110.3,401.32 ; D432.A13 25.67,407.21 ; D432.A13 26.48,406.4 ; D432.A13 25.67,405.59 ; D432.A13 24.86,406.4 ; 178.07,72.85 D102.A7 ; D102.A7 177.26,73.66 ; D102.A7 178.07,74.47 ; D102.A7 178.88,73.66 ; D431.B14 23.94,378.46 ; D431.B14 23.13,379.27 ; D431.B14 23.13,377.65 ; D431.B14 22.32,378.46 ; 45.18,99.06 D117.B13 ; D117.B13 45.99,98.25 ; D117.B13 45.99,99.87 ; 29.94,412.75 DPS8.B11 ; DPS8.B11 30.75,413.56 ; DPS8.B11 31.56,412.75 ; DPS8.B11 30.75,411.94 ; D105.A2 239.03,97.33 ; D105.A2 238.22,96.52 ; D105.A2 239.84,96.52 ; D105.A2 239.03,95.71 ; UHC430.G2_4 48.64,363.7 ; UHC430.G2_4 47.83,362.89 ; UHC430.G2_4 47.02,363.7 ; UHC430.G2_4 47.83,364.51 ; UHC230.G3_8 44.38,352.6 ; UHC230.G3_8 43.57,351.79 ; UHC230.G3_8 45.19,351.79 ; UHC230.G3_8 44.38,350.98 ; D105.B15 272.05,99.87 ; D105.B15 271.24,99.06 ; D105.B15 272.05,98.25 ; D105.B15 272.86,99.06 ; 200.12,40.64 D104.B16 ; D104.B16 200.93,41.45 ; D104.B16 201.74,40.64 ; D104.B16 200.93,39.83 ; D119.A7 30.75,54.15 ; D119.A7 29.94,53.34 ; D119.A7 30.75,52.53 ; D119.A7 31.56,53.34 ; D116.A7 188.23,397.05 ; D116.A7 188.23,395.43 ; D116.A7 187.42,396.24 ; D116.A7 189.04,396.24 ; 17.24,368.3 D231.B16 ; D231.B16 18.05,369.11 ; D231.B16 18.05,367.49 ; D231.B16 18.86,368.3 ; UHC430.G1_10 16.54,360.2 ; UHC430.G1_10 15.73,361.01 ; UHC430.G1_10 15.73,359.39 ; UHC430.G1_10 14.92,360.2 ; 38.37,75.39 D118.A10 ; D118.A10 39.18,76.2 ; D118.A10 38.37,77.01 ; D118.A10 37.56,76.2 ; D115.B4 196.66,368.3 ; D115.B4 195.85,369.11 ; D115.B4 195.85,367.49 ; D115.B4 195.04,368.3 ; 274.59,100.79 D105.B16 ; D105.B16 273.78,101.6 ; D105.B16 275.4,101.6 ; D105.B16 274.59,102.41 ; D431.A6 44.26,383.54 ; D431.A6 42.64,383.54 ; D431.A6 43.45,384.35 ; D431.A6 43.45,382.73 ; D115.B13 172.99,371.65 ; D115.B13 172.99,370.03 ; D115.B13 173.8,370.84 ; D115.B13 172.18,370.84 ; 197.58,330.2 D113.B3 ; D113.B3 198.39,329.39 ; D113.B3 198.39,331.01 ; D113.B3 199.2,330.2 ; 47.72,403.86 D432.A4 ; D432.A4 48.53,403.05 ; D432.A4 48.53,404.67 ; D432.A4 49.34,403.86 ; 258.54,35.56 D108.A10 ; D108.A10 259.35,34.75 ; D108.A10 259.35,36.37 ; D108.A10 260.16,35.56 ; D116.A3 198.39,397.05 ; D116.A3 198.39,395.43 ; D116.A3 197.58,396.24 ; D116.A3 199.2,396.24 ; 182.34,391.16 D116.B9 ; D116.B9 183.96,391.16 ; D116.B9 183.15,391.97 ; D116.B9 183.15,390.35 ; D104.B15 198.39,38.91 ; D104.B15 199.2,38.1 ; D104.B15 197.58,38.1 ; D104.B15 198.39,37.29 ; 203.47,409.4 DPS2.C01 ; DPS2.C01 203.47,411.02 ; DPS2.C01 202.66,410.21 ; DPS2.C01 204.28,410.21 ; D431.A4 48.53,384.35 ; D431.A4 48.53,382.73 ; D431.A4 47.72,383.54 ; D431.A4 49.34,383.54 ; D101.A2 165.37,97.33 ; D101.A2 166.18,96.52 ; D101.A2 164.56,96.52 ; D101.A2 165.37,95.71 ; 17.24,378.46 D431.B16 ; D431.B16 18.86,378.46 ; D431.B16 18.05,379.27 ; D431.B16 18.05,377.65 ; D231.A12 29.02,373.38 ; D231.A12 28.21,374.19 ; D231.A12 28.21,372.57 ; D231.A12 27.4,373.38 ; D108.A13 267.78,33.02 ; D108.A13 266.97,33.83 ; D108.A13 266.16,33.02 ; D108.A13 266.97,32.21 ; CSDPS229.C1 56.96,330.2 ; CSDPS229.C1 56.15,331.01 ; CSDPS229.C1 56.15,329.39 ; CSDPS229.C1 55.34,330.2 ; 238.22,35.56 D108.A2 ; D108.A2 239.03,36.37 ; D108.A2 239.03,34.75 ; D108.A2 239.84,35.56 ; 170.45,34.75 D104.A4 ; D104.A4 170.45,36.37 ; D104.A4 169.64,35.56 ; D104.A4 171.26,35.56 ; 29.94,33.02 D120.A7 ; D120.A7 30.75,32.21 ; D120.A7 31.56,33.02 ; D120.A7 30.75,33.83 ; 272.05,18.24 DPS1.C15 ; DPS1.C15 272.86,19.05 ; DPS1.C15 272.05,19.86 ; DPS1.C15 271.24,19.05 ; 40.91,98.25 D117.B11 ; D117.B11 41.72,99.06 ; D117.B11 40.91,99.87 ; D117.B11 40.1,99.06 ; 33.29,331.93 CSDPS229.B10 ; CSDPS229.B10 32.48,332.74 ; CSDPS229.B10 34.1,332.74 ; CSDPS229.B10 33.29,333.55 ; 40.1,33.02 D120.A11 ; D120.A11 40.91,33.83 ; D120.A11 40.91,32.21 ; D120.A11 41.72,33.02 ; D115.B8 185.69,369.11 ; D115.B8 184.88,368.3 ; D115.B8 186.5,368.3 ; D115.B8 185.69,367.49 ; 48.17,348.29 UHC230.G3_11 ; UHC230.G3_11 48.98,347.48 ; UHC230.G3_11 49.79,348.29 ; UHC230.G3_11 48.98,349.1 ; D123.A11 114.57,54.15 ; D123.A11 114.57,52.53 ; D123.A11 113.76,53.34 ; D123.A11 115.38,53.34 ; 126.46,332.74 CSDPS225.B2 ; CSDPS225.B2 127.27,331.93 ; CSDPS225.B2 127.27,333.55 ; CSDPS225.B2 128.08,332.74 ; 19.78,396.24 D232.A15 ; D232.A15 20.59,395.43 ; D232.A15 21.4,396.24 ; D232.A15 20.59,397.05 ; 261.89,329.39 D109.B7 ; D109.B7 261.89,331.01 ; D109.B7 261.08,330.2 ; D109.B7 262.7,330.2 ; 266.97,370.03 D111.B5 ; D111.B5 267.78,370.84 ; D111.B5 266.16,370.84 ; D111.B5 266.97,371.65 ; 23.13,392.89 D232.A14 ; D232.A14 22.32,393.7 ; D232.A14 23.94,393.7 ; D232.A14 23.13,394.51 ; 116.3,76.2 D122.A12 ; D122.A12 117.92,76.2 ; D122.A12 117.11,77.01 ; D122.A12 117.11,75.39 ; 20.59,32.21 D120.A3 ; D120.A3 21.4,33.02 ; D120.A3 19.78,33.02 ; D120.A3 20.59,33.83 ; 188.23,329.39 D113.B7 ; D113.B7 187.42,330.2 ; D113.B7 189.04,330.2 ; D113.B7 188.23,331.01 ; D227.B6 117.11,369.11 ; D227.B6 116.3,368.3 ; D227.B6 117.92,368.3 ; D227.B6 117.11,367.49 ; 93.44,78.74 D122.B3 ; D122.B3 94.25,77.93 ; D122.B3 95.06,78.74 ; D122.B3 94.25,79.55 ; 253.46,76.2 D106.A8 ; D106.A8 255.08,76.2 ; D106.A8 254.27,77.01 ; D106.A8 254.27,75.39 ; 261.08,99.06 D105.B11 ; D105.B11 262.7,99.06 ; D105.B11 261.89,99.87 ; D105.B11 261.89,98.25 ; D117.B5 26.48,99.06 ; D117.B5 25.67,98.25 ; D117.B5 25.67,99.87 ; D117.B5 24.86,99.06 ; D122.A6 101.87,77.01 ; D122.A6 101.06,76.2 ; D122.A6 101.87,75.39 ; D122.A6 102.68,76.2 ; D122.A8 106.95,77.01 ; D122.A8 106.14,76.2 ; D122.A8 107.76,76.2 ; D122.A8 106.95,75.39 ; 266.16,391.16 D112.B5 ; D112.B5 266.97,390.35 ; D112.B5 267.78,391.16 ; D112.B5 266.97,391.97 ; 14.58,350.98 UHC230.G4_8 ; UHC230.G4_8 14.58,352.6 ; UHC230.G4_8 13.77,351.79 ; UHC230.G4_8 15.39,351.79 ; 35.02,406.4 D432.A9 ; D432.A9 36.64,406.4 ; D432.A9 35.83,405.59 ; D432.A9 35.83,407.21 ; CSDPS426.B12 101.87,364.03 ; CSDPS426.B12 101.06,363.22 ; CSDPS426.B12 102.68,363.22 ; CSDPS426.B12 101.87,362.41 ; 273.78,393.7 D112.A2 ; D112.A2 274.59,392.89 ; D112.A2 275.4,393.7 ; D112.A2 274.59,394.51 ; 123.92,340.36 CSDPS425.C3 ; CSDPS425.C3 125.54,340.36 ; CSDPS425.C3 124.73,341.17 ; CSDPS425.C3 124.73,339.55 ; 174.72,388.62 D116.B12 ; D116.B12 175.53,387.81 ; D116.B12 176.34,388.62 ; D116.B12 175.53,389.43 ; D228.A13 100.14,396.24 ; D228.A13 98.52,396.24 ; D228.A13 99.33,397.05 ; D228.A13 99.33,395.43 ; D115.B5 194.12,370.84 ; D115.B5 192.5,370.84 ; D115.B5 193.31,370.03 ; D115.B5 193.31,371.65 ; DPS2.A15 168.72,415.29 ; DPS2.A15 167.91,414.48 ; DPS2.A15 167.91,416.1 ; DPS2.A15 167.1,415.29 ; CSDPS225.B4 123,332.74 ; CSDPS225.B4 121.38,332.74 ; CSDPS225.B4 122.19,333.55 ; CSDPS225.B4 122.19,331.93 ; D114.B12 175.53,348.79 ; D114.B12 176.34,347.98 ; D114.B12 174.72,347.98 ; D114.B12 175.53,347.17 ; D110.A7 261.89,356.41 ; D110.A7 262.7,355.6 ; D110.A7 261.08,355.6 ; D110.A7 261.89,354.79 ; 256.81,98.25 D105.B9 ; D105.B9 257.62,99.06 ; D105.B9 256.81,99.87 ; D105.B9 256,99.06 ; 16.88,347.48 UHC230.G4_12 ; UHC230.G4_12 16.07,348.29 ; UHC230.G4_12 17.69,348.29 ; UHC230.G4_12 16.88,349.1 ; UHC230.G4_3 14.58,356.1 ; UHC230.G4_3 14.58,354.48 ; UHC230.G4_3 13.77,355.29 ; UHC230.G4_3 15.39,355.29 ; 180.61,326.85 D113.B10 ; D113.B10 180.61,328.47 ; D113.B10 179.8,327.66 ; D113.B10 181.42,327.66 ; 106.14,81.28 D122.B8 ; D122.B8 106.95,82.09 ; D122.B8 107.76,81.28 ; D122.B8 106.95,80.47 ; D107.B15 272.86,58.42 ; D107.B15 271.24,58.42 ; D107.B15 272.05,59.23 ; D107.B15 272.05,57.61 ; CSDPS425.B14 97.6,342.9 ; CSDPS425.B14 96.79,343.71 ; CSDPS425.B14 96.79,342.09 ; CSDPS425.B14 95.98,342.9 ; D101.A1 162.83,94.79 ; D101.A1 163.64,93.98 ; D101.A1 162.02,93.98 ; D101.A1 162.83,93.17 ; 203.47,395.43 D116.A1 ; D116.A1 203.47,397.05 ; D116.A1 204.28,396.24 ; D116.A1 202.66,396.24 ; D121.A14 122.19,97.33 ; D121.A14 121.38,96.52 ; D121.A14 122.19,95.71 ; D121.A14 123,96.52 ; 28.21,331.93 CSDPS229.B12 ; CSDPS229.B12 27.4,332.74 ; CSDPS229.B12 28.21,333.55 ; CSDPS229.B12 29.02,332.74 ; DPS2.B11 178.88,412.75 ; DPS2.B11 178.07,413.56 ; DPS2.B11 177.26,412.75 ; DPS2.B11 178.07,411.94 ; D114.A2 201.74,353.06 ; D114.A2 200.93,352.25 ; D114.A2 200.93,353.87 ; D114.A2 200.12,353.06 ; D115.B3 198.39,371.65 ; D115.B3 197.58,370.84 ; D115.B3 199.2,370.84 ; D115.B3 198.39,370.03 ; D119.B7 30.75,59.23 ; D119.B7 31.56,58.42 ; D119.B7 30.75,57.61 ; D119.B7 29.94,58.42 ; 174.72,40.64 D104.B6 ; D104.B6 176.34,40.64 ; D104.B6 175.53,39.83 ; D104.B6 175.53,41.45 ; 261.89,349.71 D110.B7 ; D110.B7 262.7,350.52 ; D110.B7 261.08,350.52 ; D110.B7 261.89,351.33 ; 248.38,76.2 D106.A6 ; D106.A6 249.19,77.01 ; D106.A6 249.19,75.39 ; D106.A6 250,76.2 ; 119.65,405.59 D428.A5 ; D428.A5 120.46,406.4 ; D428.A5 118.84,406.4 ; D428.A5 119.65,407.21 ; 103.6,53.34 D123.A7 ; D123.A7 104.41,52.53 ; D123.A7 104.41,54.15 ; D123.A7 105.22,53.34 ; D431.A2 54.42,383.54 ; D431.A2 53.61,382.73 ; D431.A2 53.61,384.35 ; D431.A2 52.8,383.54 ; D112.B12 250,388.62 ; D112.B12 248.38,388.62 ; D112.B12 249.19,387.81 ; D112.B12 249.19,389.43 ; D107.B1 237.3,58.42 ; D107.B1 236.49,57.61 ; D107.B1 235.68,58.42 ; D107.B1 236.49,59.23 ; D106.A12 265.24,76.2 ; D106.A12 264.43,77.01 ; D106.A12 264.43,75.39 ; D106.A12 263.62,76.2 ; 245.84,38.1 D108.B5 ; D108.B5 246.65,38.91 ; D108.B5 246.65,37.29 ; D108.B5 247.46,38.1 ; 45.18,58.42 D119.B13 ; D119.B13 45.99,57.61 ; D119.B13 46.8,58.42 ; D119.B13 45.99,59.23 ; 178.07,395.43 D116.A11 ; D116.A11 177.26,396.24 ; D116.A11 178.88,396.24 ; D116.A11 178.07,397.05 ; 124.73,395.43 D228.A3 ; D228.A3 125.54,396.24 ; D228.A3 123.92,396.24 ; D228.A3 124.73,397.05 ; D122.B13 119.65,79.55 ; D122.B13 118.84,78.74 ; D122.B13 119.65,77.93 ; D122.B13 120.46,78.74 ; D432.A7 41.72,406.4 ; D432.A7 40.91,407.21 ; D432.A7 40.91,405.59 ; D432.A7 40.1,406.4 ; D118.A14 48.53,77.01 ; D118.A14 49.34,76.2 ; D118.A14 47.72,76.2 ; D118.A14 48.53,75.39 ; D428.B14 96.79,399.59 ; D428.B14 97.6,398.78 ; D428.B14 95.98,398.78 ; D428.B14 96.79,397.97 ; 258.54,60.96 D107.B10 ; D107.B10 259.35,60.15 ; D107.B10 260.16,60.96 ; D107.B10 259.35,61.77 ; D115.B6 191.58,368.3 ; D115.B6 190.77,367.49 ; D115.B6 189.96,368.3 ; D115.B6 190.77,369.11 ; D117.B2 18.05,102.41 ; D117.B2 17.24,101.6 ; D117.B2 18.86,101.6 ; D117.B2 18.05,100.79 ; 127.27,342.09 CSDPS425.B2 ; CSDPS425.B2 127.27,343.71 ; CSDPS425.B2 128.08,342.9 ; CSDPS425.B2 126.46,342.9 ; D227.B3 125.54,370.84 ; D227.B3 123.92,370.84 ; D227.B3 124.73,370.03 ; D227.B3 124.73,371.65 ; D111.B2 274.59,369.11 ; D111.B2 274.59,367.49 ; D111.B2 275.4,368.3 ; D111.B2 273.78,368.3 ; DPS2.C05 193.31,411.02 ; DPS2.C05 194.12,410.21 ; DPS2.C05 192.5,410.21 ; DPS2.C05 193.31,409.4 ; CSDPS229.B6 44.26,332.74 ; CSDPS229.B6 43.45,333.55 ; CSDPS229.B6 43.45,331.93 ; CSDPS229.B6 42.64,332.74 ; 253.46,60.96 D107.B8 ; D107.B8 254.27,60.15 ; D107.B8 254.27,61.77 ; D107.B8 255.08,60.96 ; 203.47,329.39 D113.B1 ; D113.B1 202.66,330.2 ; D113.B1 204.28,330.2 ; D113.B1 203.47,331.01 ; 88.36,78.74 D122.B1 ; D122.B1 89.98,78.74 ; D122.B1 89.17,79.55 ; D122.B1 89.17,77.93 ; 200.93,34.75 D104.A16 ; D104.A16 200.12,35.56 ; D104.A16 201.74,35.56 ; D104.A16 200.93,36.37 ; CSDPS229.C15 20.59,331.01 ; CSDPS229.C15 21.4,330.2 ; CSDPS229.C15 19.78,330.2 ; CSDPS229.C15 20.59,329.39 ; 250.92,335.28 D109.A11 ; D109.A11 251.73,334.47 ; D109.A11 252.54,335.28 ; D109.A11 251.73,336.09 ; D103.B2 166.18,60.96 ; D103.B2 164.56,60.96 ; D103.B2 165.37,60.15 